# Altium PCB 智能马桶综合检测台V1.0.PcbDoc (part 3 of 10)
Units mil, origin at the board's own origin, x right, y up, seen from the top; angles counter-clockwise.
Board outline 8070.87 x 6102.36 mil, 2 copper layers (Top Layer, Bottom Layer); 199 components, 169 nets, 738 pads, 77 vias.
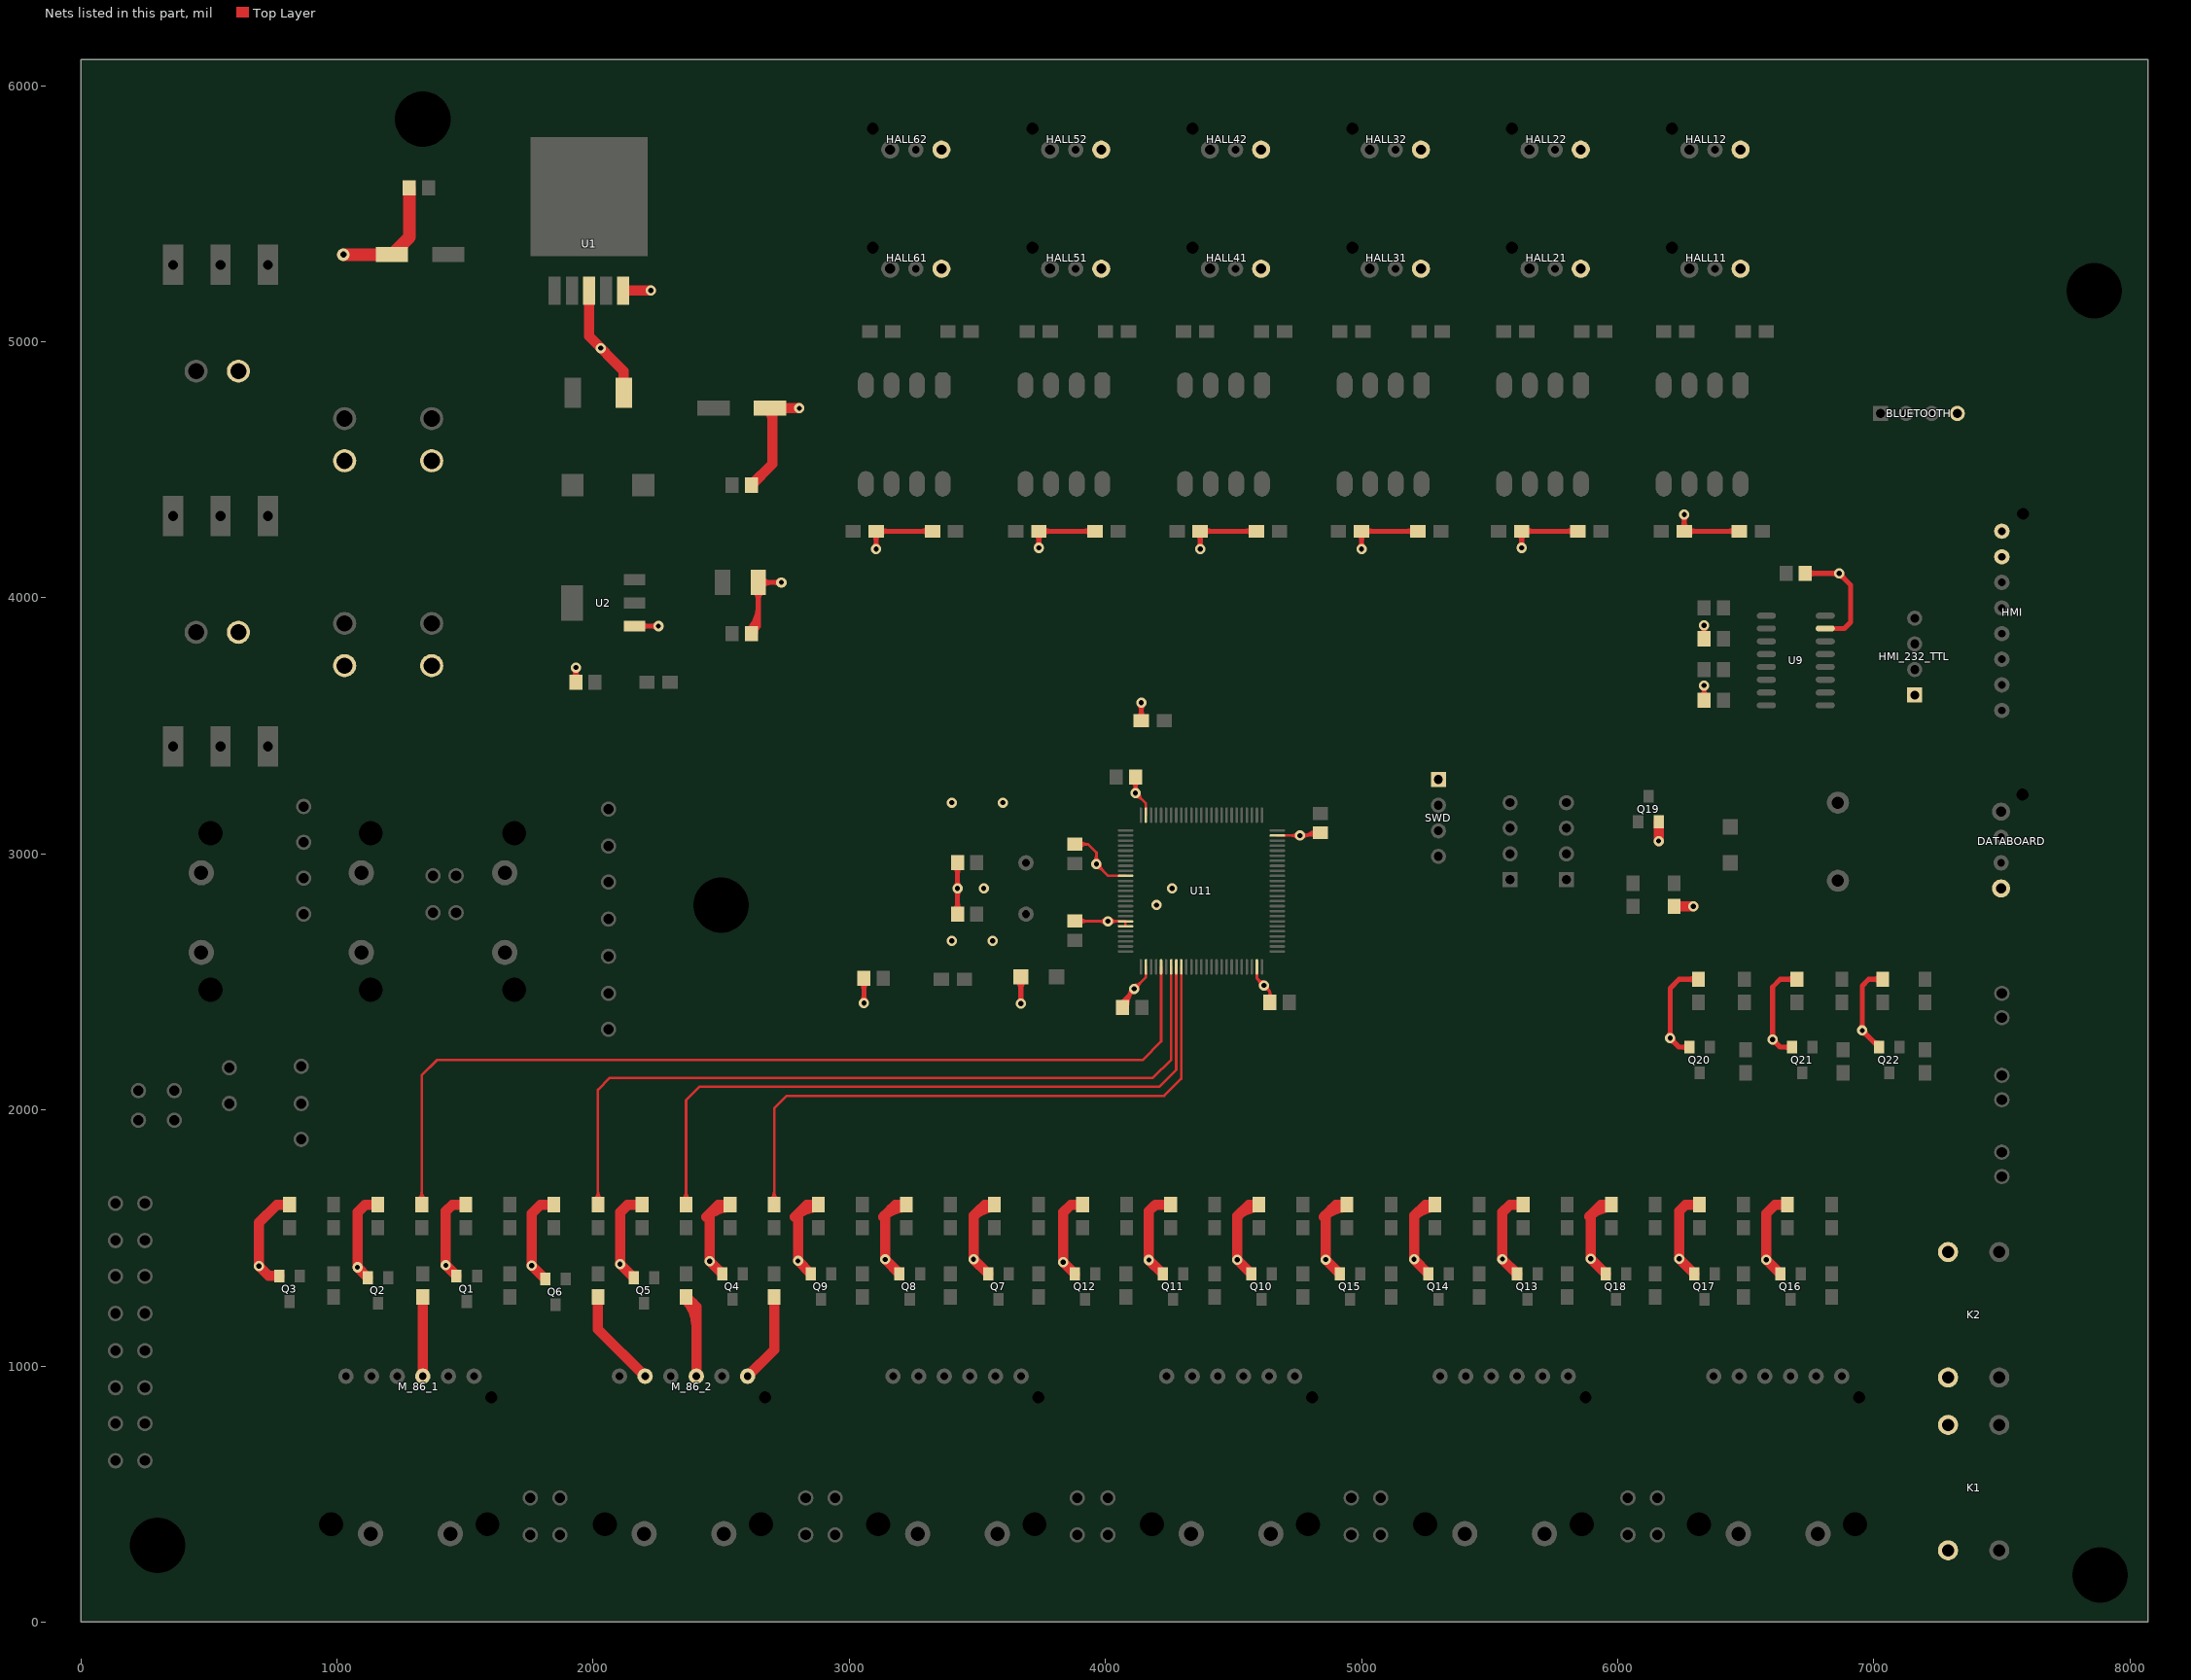
[diagram p3: the nets of this part, all layers, seen from the top]

## Via types
v1: diameter 40, hole 20, Top Layer to Bottom Layer, 68 vias
v2: diameter 50, hole 25, Top Layer to Bottom Layer, 9 vias

## Nets (pads, with @x,y where several pads share a name; then routed paths per layer and width w, separated by ;. In a path a pad name is that pad's centre, name@x,y a point inside that pad or via, vN(x,y) a via of type N, cw(c..) or ccw(c..) an arc to the next point about the centre after c; other vN are vias at no path point) (continued)
86_1_PUL: R5.1 U11.30 | length 4193.3
  Top Layer w10: R5.1@1331,1630 1331,2136 1390,2195 4145,2195 4217.52,2267.52 U11.30@4217.52,2558.74 ; R5.1@1316.86,1649.14 ccw(c1282.72,1683.28) 1331,1683.28 ; R5.1@1316.86,1649.14 ccw(c1282.72,1683.28) 1331,1683.28 ; R5.1@1316.86,1649.14 ccw(c1282.72,1683.28) 1331,1683.28 ; R5.1@1316.86,1649.14 ccw(c1282.72,1683.28) 1331,1683.28 ; R5.1@1316.86,1649.14 ccw(c1282.72,1683.28) 1331,1683.28 ; R5.1@1316.86,1649.14 ccw(c1282.72,1683.28) 1331,1683.28 ; 1331,1683.28 ccw(c1379.28,1683.28) R5.1@1345.14,1649.14 ; 1331,1683.28 ccw(c1379.28,1683.28) R5.1@1345.14,1649.14 ; 1331,1683.28 ccw(c1379.28,1683.28) R5.1@1345.14,1649.14 ; 1331,1683.28 ccw(c1379.28,1683.28) R5.1@1345.14,1649.14 ; 1331,1683.28 ccw(c1379.28,1683.28) R5.1@1345.14,1649.14 ; 1331,1683.28 ccw(c1379.28,1683.28) R5.1@1345.14,1649.14
86_1_PUL_OUT: M_86_1.3 R7.2 | length 310
  Top Layer w40: M_86_1.3@1335,960 R7.2@1335,1270
86_2_DIR: R11.1 U11.34 | length 2906.1
  Top Layer w10: R11.1@2707,1630 2707,2007 2755,2055 4230,2055 4296.26,2121.26 U11.34@4296.26,2558.74 ; R11.1@2692.86,1649.14 ccw(c2658.72,1683.28) 2707,1683.28 ; R11.1@2692.86,1649.14 ccw(c2658.72,1683.28) 2707,1683.28 ; R11.1@2692.86,1649.14 ccw(c2658.72,1683.28) 2707,1683.28 ; R11.1@2692.86,1649.14 ccw(c2658.72,1683.28) 2707,1683.28 ; R11.1@2692.86,1649.14 ccw(c2658.72,1683.28) 2707,1683.28 ; R11.1@2692.86,1649.14 ccw(c2658.72,1683.28) 2707,1683.28 ; 2707,1683.28 ccw(c2755.28,1683.28) R11.1@2721.14,1649.14 ; 2707,1683.28 ccw(c2755.28,1683.28) R11.1@2721.14,1649.14 ; 2707,1683.28 ccw(c2755.28,1683.28) R11.1@2721.14,1649.14 ; 2707,1683.28 ccw(c2755.28,1683.28) R11.1@2721.14,1649.14 ; 2707,1683.28 ccw(c2755.28,1683.28) R11.1@2721.14,1649.14 ; 2707,1683.28 ccw(c2755.28,1683.28) R11.1@2721.14,1649.14
86_2_DIR_OUT: M_86_2.1 R13.2 | length 353.1
  Top Layer w40: M_86_2.1@2603,960 2707,1064 R13.2@2707,1270
86_2_ENA: R17.1 U11.32 | length 3552.6
  Top Layer w10: R17.1@2019,1630 2019,2079 2065,2125 4185,2125 4256.89,2196.89 U11.32@4256.89,2558.74 ; R17.1@2004.86,1649.14 ccw(c1970.72,1683.28) 2019,1683.28 ; R17.1@2004.86,1649.14 ccw(c1970.72,1683.28) 2019,1683.28 ; R17.1@2004.86,1649.14 ccw(c1970.72,1683.28) 2019,1683.28 ; R17.1@2004.86,1649.14 ccw(c1970.72,1683.28) 2019,1683.28 ; R17.1@2004.86,1649.14 ccw(c1970.72,1683.28) 2019,1683.28 ; R17.1@2004.86,1649.14 ccw(c1970.72,1683.28) 2019,1683.28 ; 2019,1683.28 ccw(c2067.28,1683.28) R17.1@2033.14,1649.14 ; 2019,1683.28 ccw(c2067.28,1683.28) R17.1@2033.14,1649.14 ; 2019,1683.28 ccw(c2067.28,1683.28) R17.1@2033.14,1649.14 ; 2019,1683.28 ccw(c2067.28,1683.28) R17.1@2033.14,1649.14 ; 2019,1683.28 ccw(c2067.28,1683.28) R17.1@2033.14,1649.14 ; 2019,1683.28 ccw(c2067.28,1683.28) R17.1@2033.14,1649.14
86_2_ENA_OUT: M_86_2.5 R19.2 | length 386.2
  Top Layer w40: R19.2@2019,1270 2019,1144 M_86_2.5@2203,960
86_2_PUL: R14.1 U11.33 | length 3227.9
  Top Layer w10: R14.1@2363,1630 2363,2038 2415,2090 4210,2090 4276.57,2156.57 U11.33@4276.57,2558.74 ; R14.1@2348.86,1649.14 ccw(c2314.72,1683.28) 2363,1683.28 ; R14.1@2348.86,1649.14 ccw(c2314.72,1683.28) 2363,1683.28 ; R14.1@2348.86,1649.14 ccw(c2314.72,1683.28) 2363,1683.28 ; R14.1@2348.86,1649.14 ccw(c2314.72,1683.28) 2363,1683.28 ; R14.1@2348.86,1649.14 ccw(c2314.72,1683.28) 2363,1683.28 ; R14.1@2348.86,1649.14 ccw(c2314.72,1683.28) 2363,1683.28 ; 2363,1683.28 ccw(c2411.28,1683.28) R14.1@2377.14,1649.14 ; 2363,1683.28 ccw(c2411.28,1683.28) R14.1@2377.14,1649.14 ; 2363,1683.28 ccw(c2411.28,1683.28) R14.1@2377.14,1649.14 ; 2363,1683.28 ccw(c2411.28,1683.28) R14.1@2377.14,1649.14 ; 2363,1683.28 ccw(c2411.28,1683.28) R14.1@2377.14,1649.14 ; 2363,1683.28 ccw(c2411.28,1683.28) R14.1@2377.14,1649.14
86_2_PUL_OUT: M_86_2.3 R16.2 | length 1439.2
  Top Layer w40: R16.2@2363,1270 2403,1230 M_86_2.3@2403,960 ; R16.2@2359.46,1261.46 cw(c2254.36,1156.36) 2403,1156.36 ; R16.2@2359.46,1261.46 cw(c2254.36,1156.36) 2403,1156.36 ; R16.2@2359.46,1261.46 cw(c2254.36,1156.36) 2403,1156.36 ; R16.2@2359.46,1261.46 cw(c2254.36,1156.36) 2403,1156.36 ; R16.2@2359.46,1261.46 cw(c2254.36,1156.36) 2403,1156.36 ; R16.2@2359.46,1261.46 cw(c2254.36,1156.36) 2403,1156.36 ; R16.2@2362.18,1260.07 cw(c2354.11,1211.85) 2403,1211.85 ; R16.2@2362.18,1260.07 cw(c2354.11,1211.85) 2403,1211.85 ; R16.2@2362.18,1260.07 cw(c2354.11,1211.85) 2403,1211.85 ; R16.2@2362.18,1260.07 cw(c2354.11,1211.85) 2403,1211.85 ; R16.2@2362.18,1260.07 cw(c2354.11,1211.85) 2403,1211.85 ; R16.2@2362.18,1260.07 cw(c2354.11,1211.85) 2403,1211.85
AGND: 12V_IN.2 24V_IN.2 BLUETOOTH.4 C1.2 C2.2 C3.1 C4.2 C5.1 C9.1 C10.1 C11.1 C17.1 C18.1 C19.2 C20.1 C21.2 C22.2 C23.2 C24.2 C25.2 C26.2 C27.1 D1.1 D2.2 DATABOARD.4 HALL11.3 HALL12.3 HALL21.3 HALL22.3 HALL31.3 HALL32.3 HALL41.3 HALL42.3 HALL51.3 HALL52.3 HALL61.3 HALL62.3 HMI.1 HMI.2 HMI_232_TTL.1 K1.1 K2.1 P6.2 P7.2 P8.2 P9.2 Q1.2 Q2.2 Q3.2 Q4.2 Q5.2 Q6.2 Q7.2 Q8.2 Q9.2 Q10.2 Q11.2 Q12.2 Q13.2 Q14.2 Q15.2 Q16.2 Q17.2 Q18.2 Q19.2 Q20.2 Q21.2 Q22.2 R3.2 R6.1 R9.2 R12.1 R15.2 R18.1 R21.2 R24.1 R27.2 R30.1 R33.2 R36.1 R39.1 R42.2 R45.2 R48.1 R51.2 R54.2 R57.2 R60.1 R61.1 R64.1 R65.1 R68.1 R69.1 R72.1 R73.1 R76.1 R77.1 R80.1 R81.1 R83.2 R86.2 R89.2 R91.2 SWD.1 U1.3@1983.86,5200 U1.5 U2.1 U9.15 U11.10 U11.19 U11.20 U11.27 U11.49 U11.74 U11.99 | length 44866
  Top Layer w10: C26.2@3880,3037.4 3932.6,3037.4 ; C20.1@3880.51,2736.89 U11.19@4078.74,2736.89 U11.20@4078.74,2717.2 ; C25.2@4067.6,2400 4067.6,2427.6 4158.46,2518.46 U11.27@4158.46,2558.74 ; U11.10@4078.74,2914.06 4010.94,2914.06 v1(3965,2960) 3965,3005 3932.6,3037.4 ; C24.2@4117.4,3300 v1(4117.4,3237.6) 4158.46,3196.54 U11.99@4158.46,3151.26 ; U11.49@4591.54,2558.74 4591.54,2513.46 4642.6,2462.4 ; C22.2@4642.6,2420 4642.6,2462.4 ; U11.74@4671.26,3071.54 4828.94,3071.54 C23.2@4840,3082.6 ; C11.1@6337.6,3600 v1(6337.6,3657.6) ; C10.1@6337.6,3840 v1(6337.6,3892.6) ; C20.1@3891.43,2744.89 ccw(c3910.74,2764.2) 3910.74,2736.89 ; C20.1@3891.43,2744.89 ccw(c3910.74,2764.2) 3910.74,2736.89 ; C20.1@3891.43,2744.89 ccw(c3910.74,2764.2) 3910.74,2736.89 ; C20.1@3898.5,2722.84 cw(c3932.41,2688.93) 3932.41,2736.89 ; C20.1@3898.5,2722.84 cw(c3932.41,2688.93) 3932.41,2736.89 ; C20.1@3898.5,2722.84 cw(c3932.41,2688.93) 3932.41,2736.89 ; C20.1@3898.5,2751.96 ccw(c3934.88,2788.35) 3934.88,2736.89 ; C20.1@3898.5,2751.96 ccw(c3934.88,2788.35) 3934.88,2736.89 ; C20.1@3898.5,2751.96 ccw(c3934.88,2788.35) 3934.88,2736.89 ; C26.2@3898.72,3023.07 cw(c3932.6,2990.2) 3932.6,3037.4 ; C26.2@3898.72,3023.07 cw(c3932.6,2990.2) 3932.6,3037.4 ; C26.2@3898.72,3023.07 cw(c3932.6,2990.2) 3932.6,3037.4 ; C26.2@3898.72,3023.07 cw(c3932.6,2990.2) 3932.6,3037.4 ; C26.2@3898.72,3023.07 cw(c3932.6,2990.2) 3932.6,3037.4 ; C26.2@3898.72,3023.07 cw(c3932.6,2990.2) 3932.6,3037.4 ; C26.2@3898.72,3051.74 ccw(c3932.6,3084.6) 3932.6,3037.4 ; C26.2@3898.72,3051.74 ccw(c3932.6,3084.6) 3932.6,3037.4 ; C26.2@3898.72,3051.74 ccw(c3932.6,3084.6) 3932.6,3037.4 ; C26.2@3898.72,3051.74 ccw(c3932.6,3084.6) 3932.6,3037.4 ; C26.2@3898.72,3051.74 ccw(c3932.6,3084.6) 3932.6,3037.4 ; C26.2@3898.72,3051.74 ccw(c3932.6,3084.6) 3932.6,3037.4 ; v1@3954.39,2970.61 ccw(c3928.79,2996.21) 3965,2996.21 ; v1@3954.39,2970.61 ccw(c3928.79,2996.21) 3965,2996.21 ; v1@3954.39,2970.61 ccw(c3928.79,2996.21) 3965,2996.21 ; v1@3954.39,2970.61 ccw(c3928.79,2996.21) 3965,2996.21 ; v1@3954.39,2970.61 ccw(c3928.79,2996.21) 3965,2996.21 ; v1@3954.39,2970.61 ccw(c3928.79,2996.21) 3965,2996.21 ; v1@3965,2945 cw(c3965,2908.79) 3990.61,2934.39 ; v1@3965,2945 cw(c3965,2908.79) 3990.61,2934.39 ; v1@3965,2945 cw(c3965,2908.79) 3990.61,2934.39 ; v1@3965,2945 cw(c3965,2908.79) 3990.61,2934.39 ; v1@3965,2945 cw(c3965,2908.79) 3990.61,2934.39 ; v1@3965,2945 cw(c3965,2908.79) 3990.61,2934.39 ; 3965,2996.21 ccw(c4001.21,2996.21) v1@3975.61,2970.61 ; 3965,2996.21 ccw(c4001.21,2996.21) v1@3975.61,2970.61 ; 3965,2996.21 ccw(c4001.21,2996.21) v1@3975.61,2970.61 ; 3965,2996.21 ccw(c4001.21,2996.21) v1@3975.61,2970.61 ; 3965,2996.21 ccw(c4001.21,2996.21) v1@3975.61,2970.61 ; 3965,2996.21 ccw(c4001.21,2996.21) v1@3975.61,2970.61 ; 3973.79,2736.89 cw(c3973.79,2700.68) v1@3999.39,2726.28 ; 3973.79,2736.89 ccw(c3973.79,2773.1) v1@3999.39,2747.5 ; 3973.79,2736.89 cw(c3973.79,2700.68) v1@3999.39,2726.28 ; 3973.79,2736.89 ccw(c3973.79,2773.1) v1@3999.39,2747.5 ; 3973.79,2736.89 ccw(c3973.79,2773.1) v1@3999.39,2747.5 ; 3973.79,2736.89 cw(c3973.79,2700.68) v1@3999.39,2726.28 ; v1@3980,2960 ccw(c4016.21,2960) 3990.61,2934.39 ; v1@3980,2960 ccw(c4016.21,2960) 3990.61,2934.39 ; v1@3980,2960 ccw(c4016.21,2960) 3990.61,2934.39 ; v1@3980,2960 ccw(c4016.21,2960) 3990.61,2934.39 ; v1@3980,2960 ccw(c4016.21,2960) 3990.61,2934.39 ; v1@3980,2960 ccw(c4016.21,2960) 3990.61,2934.39 ; v1@4020.61,2726.28 cw(c4046.21,2700.68) 4046.21,2736.89 ; v1@4020.61,2726.28 cw(c4046.21,2700.68) 4046.21,2736.89 ; v1@4020.61,2726.28 cw(c4046.21,2700.68) 4046.21,2736.89 ; v1@4020.61,2747.5 ccw(c4046.21,2773.1) 4046.21,2736.89 ; v1@4020.61,2747.5 ccw(c4046.21,2773.1) 4046.21,2736.89 ; v1@4020.61,2747.5 ccw(c4046.21,2773.1) 4046.21,2736.89 ; C25.2@4068.19,2403.94 cw(c4126.74,2403.94) 4085.34,2445.34 ; C25.2@4068.19,2403.94 cw(c4126.74,2403.94) 4085.34,2445.34 ; C25.2@4068.19,2403.94 cw(c4126.74,2403.94) 4085.34,2445.34 ; C25.2@4068.19,2403.94 cw(c4126.74,2403.94) 4085.34,2445.34 ; C25.2@4078.19,2403.94 cw(c4160.88,2403.94) v1@4102.41,2462.41 ; C25.2@4078.19,2403.94 cw(c4160.88,2403.94) v1@4102.41,2462.41 ; C25.2@4078.19,2403.94 cw(c4160.88,2403.94) v1@4102.41,2462.41 ; C25.2@4078.19,2403.94 cw(c4160.88,2403.94) v1@4102.41,2462.41 ; 4087.14,2447.14 cw(c4112.75,2421.54) v1@4112.75,2457.75 ; 4087.14,2447.14 ccw(c4061.54,2472.75) v1@4097.75,2472.75 ; 4087.14,2447.14 cw(c4112.75,2421.54) v1@4112.75,2457.75 ; 4087.14,2447.14 ccw(c4061.54,2472.75) v1@4097.75,2472.75 ; 4087.14,2447.14 cw(c4112.75,2421.54) v1@4112.75,2457.75 ; 4087.14,2447.14 ccw(c4061.54,2472.75) v1@4097.75,2472.75 ; 4087.14,2447.14 ccw(c4061.54,2472.75) v1@4097.75,2472.75 ; 4087.14,2447.14 cw(c4112.75,2421.54) v1@4112.75,2457.75 ; C25.2@4088.19,2403.94 cw(c4195.02,2403.94) v1@4119.48,2479.48 ; C25.2@4088.19,2403.94 cw(c4195.02,2403.94) v1@4119.48,2479.48 ; C25.2@4088.19,2403.94 cw(c4195.02,2403.94) v1@4119.48,2479.48 ; C25.2@4088.19,2403.94 cw(c4195.02,2403.94) v1@4119.48,2479.48 ; C24.2@4102.84,3281.5 cw(c4067.69,3246.35) v1@4117.4,3246.35 ; C24.2@4102.84,3281.5 cw(c4067.69,3246.35) v1@4117.4,3246.35 ; C24.2@4102.84,3281.5 cw(c4067.69,3246.35) v1@4117.4,3246.35 ; C24.2@4102.84,3281.5 cw(c4067.69,3246.35) v1@4117.4,3246.35 ; C24.2@4102.84,3281.5 cw(c4067.69,3246.35) v1@4117.4,3246.35 ; C24.2@4102.84,3281.5 cw(c4067.69,3246.35) v1@4117.4,3246.35 ; v1@4106.79,3248.21 ccw(c4081.19,3273.81) C24.2@4117.4,3273.81 ; v1@4106.79,3248.21 ccw(c4081.19,3273.81) C24.2@4117.4,3273.81 ; v1@4106.79,3248.21 ccw(c4081.19,3273.81) C24.2@4117.4,3273.81 ; v1@4106.79,3248.21 ccw(c4081.19,3273.81) C24.2@4117.4,3273.81 ; v1@4106.79,3248.21 ccw(c4081.19,3273.81) C24.2@4117.4,3273.81 ; v1@4106.79,3248.21 ccw(c4081.19,3273.81) C24.2@4117.4,3273.81 ; v1@4112.75,2487.75 ccw(c4112.75,2523.96) 4138.36,2498.36 ; v1@4112.75,2487.75 ccw(c4112.75,2523.96) 4138.36,2498.36 ; v1@4112.75,2487.75 ccw(c4112.75,2523.96) 4138.36,2498.36 ; v1@4112.75,2487.75 ccw(c4112.75,2523.96) 4138.36,2498.36 ; v1@4117.4,3222.6 cw(c4117.4,3186.39) 4143.01,3211.99 ; v1@4117.4,3222.6 cw(c4117.4,3186.39) 4143.01,3211.99 ; v1@4117.4,3222.6 cw(c4117.4,3186.39) 4143.01,3211.99 ; v1@4117.4,3222.6 cw(c4117.4,3186.39) 4143.01,3211.99 ; v1@4117.4,3222.6 cw(c4117.4,3186.39) 4143.01,3211.99 ; v1@4117.4,3222.6 cw(c4117.4,3186.39) 4143.01,3211.99 ; v1@4117.4,3246.35 cw(c4167.11,3246.35) C24.2@4131.96,3281.5 ; v1@4117.4,3246.35 cw(c4167.11,3246.35) C24.2@4131.96,3281.5 ; v1@4117.4,3246.35 cw(c4167.11,3246.35) C24.2@4131.96,3281.5 ; v1@4117.4,3246.35 cw(c4167.11,3246.35) C24.2@4131.96,3281.5 ; v1@4117.4,3246.35 cw(c4167.11,3246.35) C24.2@4131.96,3281.5 ; v1@4117.4,3246.35 cw(c4167.11,3246.35) C24.2@4131.96,3281.5 ; C24.2@4117.4,3273.81 ccw(c4153.61,3273.81) v1@4128.01,3248.21 ; C24.2@4117.4,3273.81 ccw(c4153.61,3273.81) v1@4128.01,3248.21 ; C24.2@4117.4,3273.81 ccw(c4153.61,3273.81) v1@4128.01,3248.21 ; C24.2@4117.4,3273.81 ccw(c4153.61,3273.81) v1@4128.01,3248.21 ; C24.2@4117.4,3273.81 ccw(c4153.61,3273.81) v1@4128.01,3248.21 ; C24.2@4117.4,3273.81 ccw(c4153.61,3273.81) v1@4128.01,3248.21 ; v1@4127.75,2472.75 cw(c4163.96,2472.75) 4138.36,2498.36 ; v1@4127.75,2472.75 cw(c4163.96,2472.75) 4138.36,2498.36 ; v1@4127.75,2472.75 cw(c4163.96,2472.75) 4138.36,2498.36 ; v1@4127.75,2472.75 cw(c4163.96,2472.75) 4138.36,2498.36 ; v1@4132.4,3237.6 ccw(c4168.61,3237.6) 4143.01,3211.99 ; v1@4132.4,3237.6 ccw(c4168.61,3237.6) 4143.01,3211.99 ; v1@4132.4,3237.6 ccw(c4168.61,3237.6) 4143.01,3211.99 ; v1@4132.4,3237.6 ccw(c4168.61,3237.6) 4143.01,3211.99 ; v1@4132.4,3237.6 ccw(c4168.61,3237.6) 4143.01,3211.99 ; v1@4132.4,3237.6 ccw(c4168.61,3237.6) 4143.01,3211.99 ; 4593.36,2511.64 cw(c4567.75,2486.04) v1@4603.96,2486.04 ; 4593.36,2511.64 ccw(c4618.96,2537.25) v1@4618.96,2501.04 ; 4593.36,2511.64 cw(c4567.75,2486.04) v1@4603.96,2486.04 ; 4593.36,2511.64 ccw(c4618.96,2537.25) v1@4618.96,2501.04 ; 4593.36,2511.64 cw(c4567.75,2486.04) v1@4603.96,2486.04 ; 4593.36,2511.64 ccw(c4618.96,2537.25) v1@4618.96,2501.04 ; 4593.36,2511.64 ccw(c4618.96,2537.25) v1@4618.96,2501.04 ; 4593.36,2511.64 cw(c4567.75,2486.04) v1@4603.96,2486.04 ; v1@4619.84,2471.06 cw(c4621.57,2441.37) 4642.6,2462.4 ; v1@4619.84,2471.06 cw(c4621.57,2441.37) 4642.6,2462.4 ; v1@4619.84,2471.06 cw(c4621.57,2441.37) 4642.6,2462.4 ; v1@4619.84,2471.06 cw(c4621.57,2441.37) 4642.6,2462.4 ; v1@4619.84,2471.06 cw(c4621.57,2441.37) 4642.6,2462.4 ; v1@4619.84,2471.06 cw(c4621.57,2441.37) 4642.6,2462.4 ; C22.2@4631.18,2441.07 ccw(c4616.97,2462.4) 4642.6,2462.4 ; C22.2@4631.18,2441.07 ccw(c4616.97,2462.4) 4642.6,2462.4 ; C22.2@4631.18,2441.07 ccw(c4616.97,2462.4) 4642.6,2462.4 ; C22.2@4631.18,2441.07 ccw(c4616.97,2462.4) 4642.6,2462.4 ; C22.2@4631.18,2441.07 ccw(c4616.97,2462.4) 4642.6,2462.4 ; C22.2@4631.18,2441.07 ccw(c4616.97,2462.4) 4642.6,2462.4 ; v1@4633.94,2485.16 ccw(c4663.63,2483.43) 4642.6,2462.4 ; v1@4633.94,2485.16 ccw(c4663.63,2483.43) 4642.6,2462.4 ; v1@4633.94,2485.16 ccw(c4663.63,2483.43) 4642.6,2462.4 ; v1@4633.94,2485.16 ccw(c4663.63,2483.43) 4642.6,2462.4 ; v1@4633.94,2485.16 ccw(c4663.63,2483.43) 4642.6,2462.4 ; v1@4633.94,2485.16 ccw(c4663.63,2483.43) 4642.6,2462.4 ; 4642.6,2462.4 ccw(c4668.23,2462.4) C22.2@4654.02,2441.07 ; 4642.6,2462.4 ccw(c4668.23,2462.4) C22.2@4654.02,2441.07 ; 4642.6,2462.4 ccw(c4668.23,2462.4) C22.2@4654.02,2441.07 ; 4642.6,2462.4 ccw(c4668.23,2462.4) C22.2@4654.02,2441.07 ; 4642.6,2462.4 ccw(c4668.23,2462.4) C22.2@4654.02,2441.07 ; 4642.6,2462.4 ccw(c4668.23,2462.4) C22.2@4654.02,2441.07 ; 4723.79,3071.54 cw(c4723.79,3035.32) v1@4749.39,3060.93 ; 4723.79,3071.54 ccw(c4723.79,3107.75) v1@4749.39,3082.14 ; 4723.79,3071.54 cw(c4723.79,3035.32) v1@4749.39,3060.93 ; 4723.79,3071.54 ccw(c4723.79,3107.75) v1@4749.39,3082.14 ; 4723.79,3071.54 cw(c4723.79,3035.32) v1@4749.39,3060.93 ; 4723.79,3071.54 ccw(c4723.79,3107.75) v1@4749.39,3082.14 ; 4723.79,3071.54 ccw(c4723.79,3107.75) v1@4749.39,3082.14 ; 4723.79,3071.54 cw(c4723.79,3035.32) v1@4749.39,3060.93 ; v1@4759.64,3071.54 ccw(c4759.64,3159.02) C23.2@4821.5,3097.16 ; v1@4759.64,3071.54 ccw(c4759.64,3159.02) C23.2@4821.5,3097.16 ; v1@4759.64,3071.54 ccw(c4759.64,3159.02) C23.2@4821.5,3097.16 ; v1@4759.64,3071.54 ccw(c4759.64,3159.02) C23.2@4821.5,3097.16 ; v1@4759.64,3071.54 ccw(c4759.64,3159.02) C23.2@4821.5,3097.16 ; v1@4759.64,3071.54 ccw(c4759.64,3159.02) C23.2@4821.5,3097.16 ; v1@4770.61,3060.93 cw(c4796.21,3035.32) 4796.21,3071.54 ; v1@4770.61,3060.93 cw(c4796.21,3035.32) 4796.21,3071.54 ; v1@4770.61,3060.93 cw(c4796.21,3035.32) 4796.21,3071.54 ; v1@4770.61,3060.93 cw(c4796.21,3035.32) 4796.21,3071.54 ; v1@4770.61,3082.14 ccw(c4796.21,3107.75) 4796.21,3071.54 ; v1@4770.61,3082.14 ccw(c4796.21,3107.75) 4796.21,3071.54 ; v1@4770.61,3082.14 ccw(c4796.21,3107.75) 4796.21,3071.54 ; v1@4770.61,3082.14 ccw(c4796.21,3107.75) 4796.21,3071.54 ; 4783.79,3071.54 ccw(c4783.79,3134.87) C23.2@4828.57,3090.09 ; 4783.79,3071.54 ccw(c4783.79,3134.87) C23.2@4828.57,3090.09 ; 4783.79,3071.54 ccw(c4783.79,3134.87) C23.2@4828.57,3090.09 ; 4783.79,3071.54 ccw(c4783.79,3134.87) C23.2@4828.57,3090.09 ; 4783.79,3071.54 ccw(c4783.79,3134.87) C23.2@4828.57,3090.09 ; 4783.79,3071.54 ccw(c4783.79,3134.87) C23.2@4828.57,3090.09 ; 4807.93,3071.54 ccw(c4807.93,3110.73) C23.2@4835.65,3083.02 ; 4807.93,3071.54 ccw(c4807.93,3110.73) C23.2@4835.65,3083.02 ; 4807.93,3071.54 ccw(c4807.93,3110.73) C23.2@4835.65,3083.02 ; 4807.93,3071.54 ccw(c4807.93,3110.73) C23.2@4835.65,3083.02 ; 4807.93,3071.54 ccw(c4807.93,3110.73) C23.2@4835.65,3083.02 ; 4807.93,3071.54 ccw(c4807.93,3110.73) C23.2@4835.65,3083.02 ; C11.1@6323.04,3618.5 ccw(c6287.89,3653.65) v1@6337.6,3653.65 ; C11.1@6323.04,3618.5 ccw(c6287.89,3653.65) v1@6337.6,3653.65 ; C11.1@6323.04,3618.5 ccw(c6287.89,3653.65) v1@6337.6,3653.65 ; C11.1@6323.04,3618.5 ccw(c6287.89,3653.65) v1@6337.6,3653.65 ; C10.1@6323.26,3858.72 ccw(c6290.4,3892.6) v1(6337.6,3892.6) ; C10.1@6323.26,3858.72 ccw(c6290.4,3892.6) v1(6337.6,3892.6) ; C10.1@6323.26,3858.72 ccw(c6290.4,3892.6) v1(6337.6,3892.6) ; C10.1@6323.26,3858.72 ccw(c6290.4,3892.6) v1(6337.6,3892.6) ; v1@6326.99,3646.99 cw(c6301.39,3621.39) C11.1@6337.6,3621.39 ; v1@6326.99,3646.99 cw(c6301.39,3621.39) C11.1@6337.6,3621.39 ; v1@6326.99,3646.99 cw(c6301.39,3621.39) C11.1@6337.6,3621.39 ; v1@6326.99,3646.99 cw(c6301.39,3621.39) C11.1@6337.6,3621.39 ; v1@6326.99,3881.99 cw(c6301.39,3856.39) C10.1@6337.6,3856.39 ; v1@6326.99,3881.99 cw(c6301.39,3856.39) C10.1@6337.6,3856.39 ; v1@6326.99,3881.99 cw(c6301.39,3856.39) C10.1@6337.6,3856.39 ; v1@6326.99,3881.99 cw(c6301.39,3856.39) C10.1@6337.6,3856.39 ; C11.1@6337.6,3621.39 cw(c6373.81,3621.39) v1@6348.21,3646.99 ; C11.1@6337.6,3621.39 cw(c6373.81,3621.39) v1@6348.21,3646.99 ; C11.1@6337.6,3621.39 cw(c6373.81,3621.39) v1@6348.21,3646.99 ; C11.1@6337.6,3621.39 cw(c6373.81,3621.39) v1@6348.21,3646.99 ; v1@6337.6,3653.65 ccw(c6387.31,3653.65) C11.1@6352.16,3618.5 ; v1@6337.6,3653.65 ccw(c6387.31,3653.65) C11.1@6352.16,3618.5 ; v1@6337.6,3653.65 ccw(c6387.31,3653.65) C11.1@6352.16,3618.5 ; v1@6337.6,3653.65 ccw(c6387.31,3653.65) C11.1@6352.16,3618.5 ; C10.1@6337.6,3856.39 cw(c6373.81,3856.39) v1@6348.21,3881.99 ; C10.1@6337.6,3856.39 cw(c6373.81,3856.39) v1@6348.21,3881.99 ; C10.1@6337.6,3856.39 cw(c6373.81,3856.39) v1@6348.21,3881.99 ; C10.1@6337.6,3856.39 cw(c6373.81,3856.39) v1@6348.21,3881.99 ; v1(6337.6,3892.6) ccw(c6384.8,3892.6) C10.1@6351.93,3858.72 ; v1(6337.6,3892.6) ccw(c6384.8,3892.6) C10.1@6351.93,3858.72 ; v1(6337.6,3892.6) ccw(c6384.8,3892.6) C10.1@6351.93,3858.72 ; v1(6337.6,3892.6) ccw(c6384.8,3892.6) C10.1@6351.93,3858.72